# Altium PCB FMC_ADC_130M_16B_4CH.PcbDoc (part 4 of 8)
Units mil, origin at the board's own origin, x right, y up, seen from the top; angles counter-clockwise.
Board outline 3023 x 2716.54 mil, 8 copper layers (Top Layer, GND1, L3, GND2, L5, GND3, POWER, Bottom Layer), stack 52.323 mil thick; 406 components, 449 nets, 2146 pads, 1659 vias.
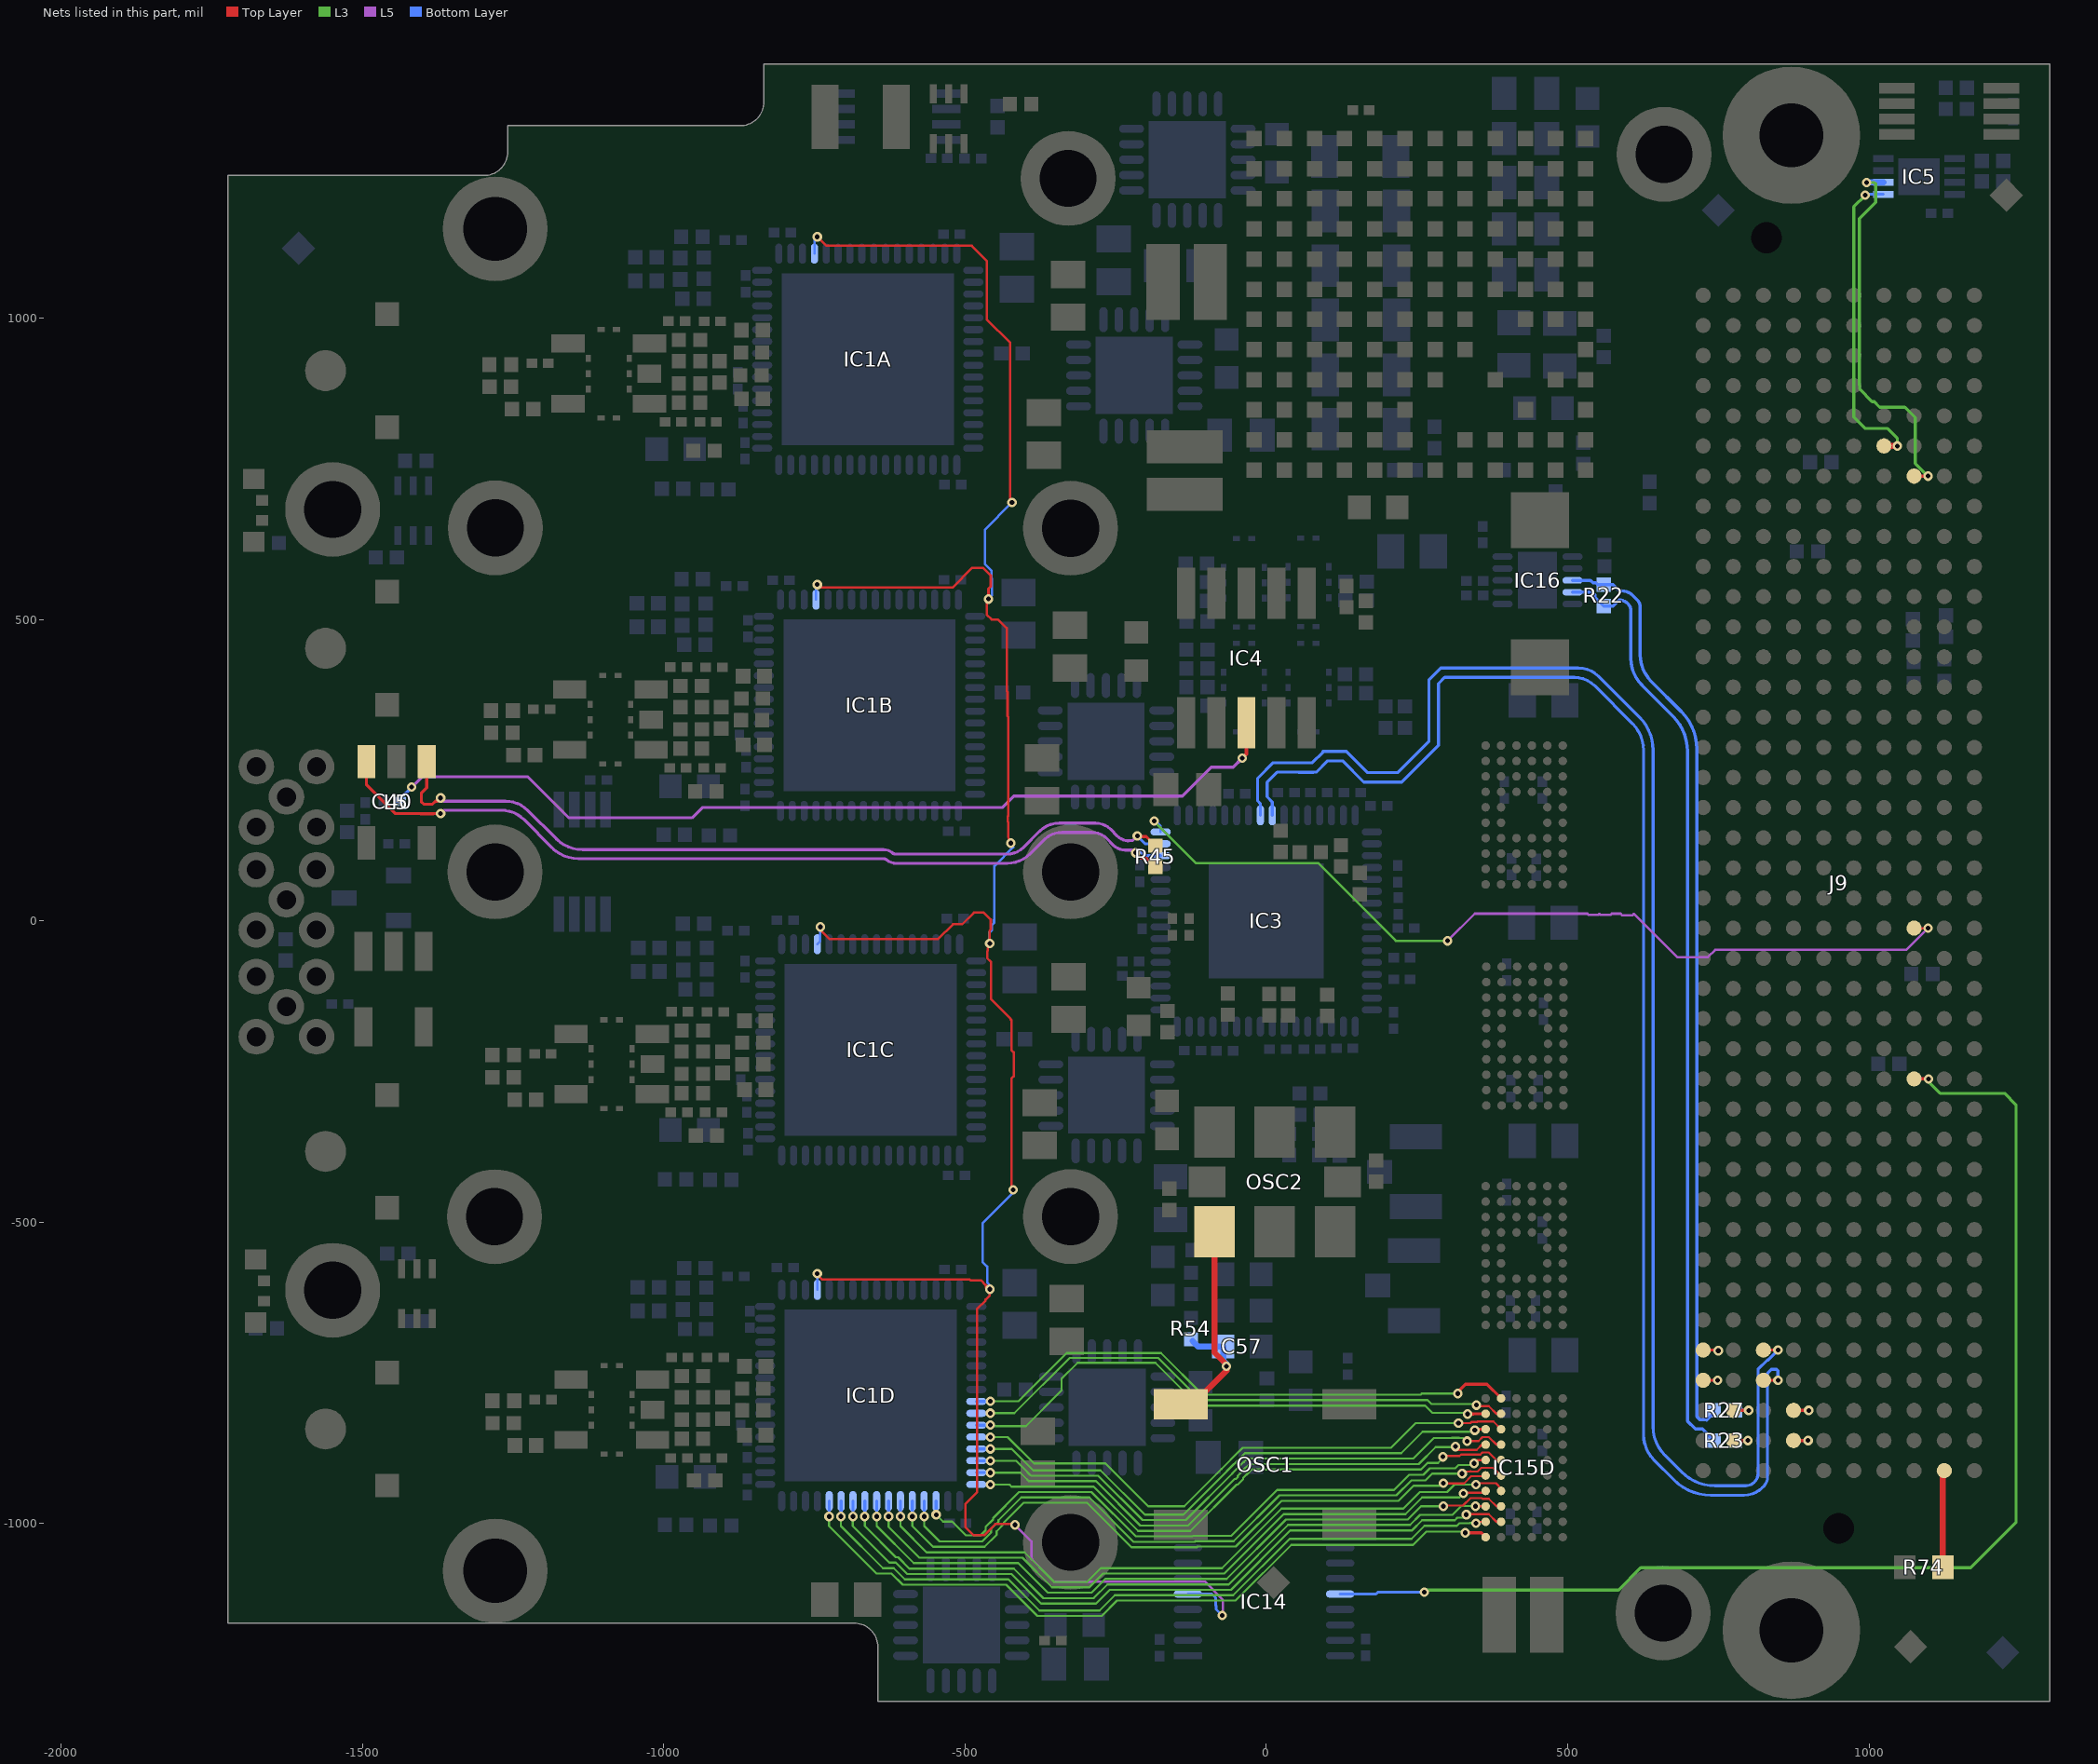
[diagram p10: the nets of this part, all layers, seen from the top]

## Via types
v1: diameter 15.75, hole 7.87, Top Layer to Bottom Layer, tented both sides, 1354 vias
v2: diameter 19.68, hole 7.87, Top Layer to Bottom Layer, tented both sides, 285 vias
v3: diameter 15.75, hole 7.87, Top Layer to Bottom Layer, 12 vias
v4: diameter 23.62, hole 7.87, Top Layer to Bottom Layer, tented both sides, 8 vias

## Nets (pads, with @x,y where several pads share a name; then routed paths per layer and width w, separated by ;. In a path a pad name is that pad's centre, name@x,y a point inside that pad or via, vN(x,y) a via of type N, cw(c..) or ccw(c..) an arc to the next point about the centre after c; other vN are vias at no path point) (continued)
CH4.CLKOUTA: IC1D.41 IC15D.K5 | length 955.1
  Top Layer w5: v1(318,-784) 318,-785 319,-786 319,-780 330.37,-768.63 366.18,-768.63 IC15D.K5@389.61,-792.06
  L3 w3.5: v1(-458,-796.89) -410.95,-796.89 -331.06,-717 -174.54,-717 -105.54,-786 256,-786 258,-784 v1(318,-784)
  Bottom Layer w5: IC1D.41@-481.09,-797.11 -458.22,-797.11 v1(-458,-796.89)
CH4.DA0: IC1D.42 IC15D.J5 | length 934.6
  Top Layer w3.5: v1(348.7,-803.28) 350.28,-804.86 v1@351.86,-804.86 ; v1@356,-805 v1@355.86,-804.86 ; IC15D.J5@389.61,-817.65 381.9,-817.65 369.26,-805.01 352.01,-805.01 v1@351.86,-804.86 ; v1@351.86,-804.86 351,-804 355,-804 v1@355.86,-804.86 ; v1@351.86,-804.86 v1@355.86,-804.86
  L3 w3.5: v1(-458,-816.64) -417.97,-816.64 -326.33,-725 -179.27,-725 -109.27,-795 267.55,-795 274.18,-801.63 347.05,-801.63 v1(348.7,-803.28)
CH4.DA1: IC1D.43 IC15D.J6 | length 927.9
  Top Layer w5: v1(334,-818) 344,-818 344.35,-817.65 IC15D.J6@364.02,-817.65
  L3 w3.5: v1(-458,-836.39) v1@-456,-836.39 ; v1@-456,-837 -455,-838 -398.67,-838 -339.5,-778.83 -339.5,-759.5 -313,-733 -184,-733 -113,-804 263.82,-804 275.82,-816 v1@327,-816
  Bottom Layer w5: IC1D.43@-481.09,-836.48 -458.09,-836.48 v1(-458,-836.39)
CH4.DA2: IC1D.44 IC15D.H5 | length 958.9
  Top Layer w3.5: v1(319,-833) 338.73,-833 340.36,-831.38 349.64,-831.38 350.64,-830.38 376.75,-830.38 IC15D.H5@389.61,-843.24
  L3 w3.5: v1(-458,-856.13) -429.19,-856.13 -385.33,-900 -267,-900 -196,-971 -136,-971 -74.37,-909.37 -74.37,-909.13 -44.87,-879.63 -44.63,-879.63 -39,-874 207,-874 248,-833 v1(319,-833)
CH4.DA3: IC1D.45 IC15D.H6 | length 949.2
  Top Layer w5: v1(346,-845) 347.76,-843.24 IC15D.H6@364.02,-843.24
  L3 w3.5: v1(-458,-875.88) -422.17,-875.88 -386.67,-911.39 -275.16,-911.39 -201.55,-985 -137.27,-985 -65.37,-913.1 -65.37,-912.86 -41.14,-888.63 -40.9,-888.63 -35.27,-883 224,-883 259.63,-847.37 343.63,-847.37 v1(346,-845)
  Bottom Layer w5: IC1D.45@-481.09,-875.85 v1(-458,-875.88)
CH4.DA4: IC1D.46 IC15D.G5 | length 976.1
  Top Layer w3.5: v1(333,-863) 351.98,-863 358.79,-856.19 369.26,-856.19 381.9,-868.83 IC15D.G5@389.61,-868.83
  L3 w3.5: v1(-458,-895.63) -415.15,-895.63 -400.41,-910.37 -392.78,-918 -390.39,-920.39 -371.07,-920.39 -370.48,-920.39 -278.89,-920.39 -205.28,-994 -133.54,-994 -56.54,-917 -56.37,-917 -56.37,-916.59 -37.41,-897.63 -37.17,-897.63 -31.54,-892 244,-892 278,-858 307.67,-858 308.05,-857.63 319.95,-857.63 320.33,-858 327,-858 v1@331,-862
  Bottom Layer w5: IC1D.46@-481.09,-895.54 -458.09,-895.54 v1(-458,-895.63)
CH4.DA5: IC1D.47 IC15D.G6 | length 943.5
  Top Layer w3.5: v1(314,-872) 314,-873 318.5,-877.5 349.12,-877.5 357.79,-868.83 IC15D.G6@364.02,-868.83
  L3 w3.5: v1(-458,-915.38) -408.13,-915.38 -396.51,-927 -394.12,-929.39 -374.79,-929.39 -366.75,-929.39 -282.62,-929.39 -209.01,-1003 -129.82,-1003 -52.82,-926 -50.82,-926 -47.37,-922.56 -47.37,-920.32 -33.68,-906.63 -33.44,-906.63 -27.82,-901 253,-901 281,-873 313,-873 v1(314,-872)
  Bottom Layer w5: IC1D.47@-481.09,-915.22 -458.16,-915.22 v1(-458,-915.38)
CH4.DA6: IC1D.48 IC15D.F5 | length 940.1
  Top Layer w3.5: v1@293,-888 294,-888 294.38,-887.62 320.64,-887.62 323.14,-885.13 355.44,-885.13 358.79,-881.79 369.26,-881.79 381.9,-894.43 IC15D.F5@389.61,-894.43
  L3 w3.5: v1(-458,-935.13) -426.13,-935.13 -422.86,-938.39 -286.35,-938.39 -212.74,-1012 -126.09,-1012 -49.09,-935 -47.09,-935 -38.37,-926.29 -38.37,-924.05 -29.95,-915.63 -29.71,-915.63 -24.09,-910 256.73,-910 267.73,-899 285,-899 v1@294,-890
  other v1: 293,-889
CH4.DA7: IC1D.51 IC15D.F6 | length 1066.3
  Top Layer w3.5: v1(345,-900) 350.57,-894.43 IC15D.F6@364.02,-894.43
  L3 w3.5: v1(-547.74,-985.02) -536.13,-996.63 -521.05,-996.63 -498.3,-1019.37 -474.05,-1019.37 -465.63,-1010.95 -465.63,-1005 -465.46,-1005 -453.37,-992.92 -453.37,-990.59 -410.17,-947.39 -290.07,-947.39 -216.46,-1021 -122.36,-1021 -121.36,-1020 -58,-1020 18,-944 212,-944 237,-919 260.46,-919 271.46,-908 313.67,-908 319.05,-902.63 342.37,-902.63 v1(345,-900)
  Bottom Layer w5: IC1D.51@-548.02,-962.46 -548.02,-984.73 v1(-547.74,-985.02)
CH4.DA8: IC1D.52 IC15D.E5 | length 1131.1
  Top Layer w3.5: v1(325,-917) 328.38,-913.62 338.5,-913.62 338.93,-913.2 339.36,-913.62 350.64,-913.62 356.89,-907.38 376.66,-907.38 389.3,-920.02 IC15D.E5@389.61,-920.02
  L3 w3.5: v1(-567.49,-988) -567.49,-1004 -542.11,-1029.37 -471.32,-1029.37 -456.63,-1014.68 -456.63,-1008.9 -444.37,-996.65 -444.37,-994.32 -406.45,-956.39 -293.8,-956.39 -220.19,-1030 -118.63,-1030 -117.63,-1029 -54.27,-1029 21.73,-953 215.73,-953 240.73,-928 264.18,-928 275.18,-917 v1(325,-917)
  Bottom Layer w5: IC1D.52@-567.71,-962.46 -567.71,-987.78 v1(-567.49,-988)
CH4.DA9: IC1D.53 IC15D.E6 | length 1121.9
  Top Layer w3.5: v1(294,-933) 328.27,-933 339.89,-921.38 362.66,-921.38 IC15D.E6@364.02,-920.02
  L3 w3.5: v1(-587.24,-988) -587.24,-1004 -552.86,-1038.37 -467.59,-1038.37 -447.63,-1018.41 -447.63,-1012.63 -435.37,-1000.37 -435.37,-998.05 -402.72,-965.39 -297.53,-965.39 -223.92,-1039 -114.9,-1039 -113.9,-1038 -50.54,-1038 25.46,-962 219.46,-962 244.46,-937 290,-937 v1(294,-933)
  Bottom Layer w5: IC1D.53@-587.39,-962.46 -587.39,-987.84 v1(-587.24,-988)
CH4.DA10: IC1D.54 IC15D.D5 | length 1153.8
  Top Layer w3.5: v1@347.07,-935.93 v1(348,-935) 350.03,-932.97 380.97,-932.97 389.61,-941.61 IC15D.D5@389.61,-945.61
  L3 w3.5: v1(-606.98,-988) -606.98,-1004 -563.61,-1047.37 -400.96,-1047.37 -351.84,-1096.5 -297.53,-1096.5 -297,-1095.97 ; -296.52,-1095.48 -297,-1095.97 ; v1(348,-935) 312.33,-935 299.95,-947.37 254.92,-947.37 227.29,-975 25.18,-975 -73.44,-1073.63 -274.63,-1073.63 -297,-1096
  Bottom Layer w5: IC1D.54@-607.08,-962.46 -607.08,-987.91 v1(-606.98,-988)
CH4.DA11: IC1D.55 IC15D.D6 | length 1143
  Top Layer w3.5: v1@325,-948 325.62,-948.62 361.01,-948.62 IC15D.D6@364.02,-945.61
  L3 w3.5: v1(-626.73,-988) -626.73,-1005.27 -575.63,-1056.37 -404.69,-1056.37 -355.57,-1105.5 -293.8,-1105.5 -293.3,-1105 -270.9,-1082.63 -69.71,-1082.63 28.91,-984 231.02,-984 258.65,-956.37 320.63,-956.37 v1(327,-950)
  Bottom Layer w5: v1@-626.76,-987.97 IC1D.55@-626.76,-962.46
CH4.DA12: IC1D.56 IC15D.C5 | length 1194.8
  Top Layer w3.5: v1(294,-971) 294,-970 326.27,-970 338.89,-957.38 357.61,-957.38 358.79,-958.56 369.26,-958.56 381.9,-971.2 IC15D.C5@389.61,-971.2
  L3 w3.5: v1(-646.48,-988) -646.48,-1004 -585.11,-1065.37 -411.63,-1065.37 -362.5,-1114.5 -290.07,-1114.5 -289.57,-1114 ; -289.54,-1114 -267.17,-1091.63 -117.87,-1091.63 -65.99,-1091.63 32.64,-993 234.75,-993 256.75,-971 v1(294,-971)
  Bottom Layer w5: v1(-646.48,-988) IC1D.56@-646.45,-962.46
CH4.DA13: IC1D.57 IC15D.C6 | length 1184.7
  Top Layer w3.5: v1(347,-971) 347.2,-971.2 IC15D.C6@364.02,-971.2
  L3 w3.5: v1(-666.23,-988) -666.23,-1004 -614.6,-1055.63 -610.86,-1055.63 -592.11,-1074.37 -418.9,-1074.37 -369.77,-1123.5 -286.35,-1123.5 -285.85,-1123 -263.44,-1100.63 -62.26,-1100.63 36.37,-1002 238.48,-1002 255.1,-985.37 308.95,-985.37 323.7,-970.63 v1@347,-970.63
  Bottom Layer w5: v1(-666.23,-988) -666.13,-987.91 IC1D.57@-666.13,-962.46
CH4.DA14: IC1D.58 IC15D.B5 | length 1239
  Top Layer w3.5: v1@331,-984 v1@331.15,-984.15 ; v1(332,-985) v1@331.15,-984.15 ; IC15D.B5@389.61,-996.79 381.9,-996.79 369.26,-984.15 v1@331.15,-984.15
  L3 w3.5: v1(-685.98,-988) -685.98,-1004 -625.35,-1064.63 -614.59,-1064.63 -595.84,-1083.37 -422.63,-1083.37 -373.5,-1132.5 -282.62,-1132.5 -282.12,-1132 ; -282.09,-1132 -259.71,-1109.63 -58.53,-1109.63 40.1,-1011 242.21,-1011 258.83,-994.37 312.68,-994.37 317.06,-990 327,-990 v1(332,-985)
  Bottom Layer w5: v1(-685.98,-988) -685.82,-987.84 IC1D.58@-685.82,-962.46
CH4.DA15: IC1D.59 IC15D.B6 | length 1230.9
  Top Layer w3.5: v1(348,-999) 348,-998 349.21,-996.79 IC15D.B6@364.02,-996.79
  L3 w3.5: v1(-705.72,-988) -705.72,-1004 -636.1,-1073.63 -618.32,-1073.63 -599.57,-1092.37 -427.9,-1092.37 -376.27,-1144 -276.73,-1144 -251.35,-1118.63 -54.8,-1118.63 38.82,-1025 240.93,-1025 262.56,-1003.37 316.41,-1003.37 320.41,-999.37 337.95,-999.37 338.33,-999 v1(348,-999)
  Bottom Layer w5: v1(-705.72,-988) -705.5,-987.78 IC1D.59@-705.5,-962.46
CH4.OF_A: IC1D.60 IC15D.A6 | length 1246.9
  Top Layer w5: v1(330,-1015) 356.65,-1015 IC15D.A6@364.02,-1022.38
  L3 w3.5: v1(-725.47,-988) -725.47,-1004 -646.85,-1082.63 -622.05,-1082.63 -603.3,-1101.37 -431.63,-1101.37 -380,-1153 -273,-1153 -247.63,-1127.63 -51.07,-1127.63 41.55,-1035 243.66,-1035 265.66,-1013 v1@323,-1013
  Bottom Layer w5: v1(-725.47,-988) -725.19,-987.72 IC1D.60@-725.19,-962.46
CLK0_M2C_N: IC3.24 J9.h5 | length 2555.9
  Top Layer w5: J9.h5@824.92,-711.99 v1(849,-712)
  Bottom Layer w5: IC3.24@-9.84,175.2 -9.84,194.81 -14.45,199.42 -14.45,236.55 11.45,262.45 60.12,262.45 60.31,262.27 71.69,262.27 71.88,262.45 76.45,262.45 94,280 ; 94,281.29 132.94,281.29 168.23,246 218,246 270,298 270,400.23 289.49,419.72 517.72,419.72 cw(c517.72,371.94) 551.49,405.74 ; 551.51,405.72 618.95,338.28 cw(c563.98,283.31) 641.72,283.31 641.72,-711 641.72,-839 ccw(c708.64,-839) 661.32,-886.32 689.2,-914.2 ccw(c744.25,-859.14) 744.25,-937 795.88,-937 ccw(c795.88,-917.39) 809.74,-931.25 ccw(c794.64,-916.15) 816,-916.15 816,-743.77 831.49,-728.28 832.72,-728.28 v1(849,-712)
CLK0_M2C_P: IC3.25 J9.h4 | length 2543.9
  Top Layer w5: J9.h4@824.92,-761.99 v1(849,-762)
  Bottom Layer w5: IC3.25@9.84,175.2 9.84,197.36 1.27,205.94 1.27,230.04 17.96,246.73 53.61,246.73 53.8,246.55 78.2,246.55 78.39,246.73 82.96,246.73 101.8,265.57 126.43,265.57 161.72,230.28 224.51,230.28 285.72,291.49 285.72,393.72 296,404 511.21,404 cw(c511.21,356.22) 544.98,390.02 ; 544.99,390.01 607.83,327.17 cw(c563.98,283.31) 626,283.31 626,-707 626,-851.95 ccw(c686.49,-851.95) 643.7,-894.7 ; 643.72,-894.72 676.25,-927.25 ccw(c737.74,-865.76) 737.74,-952.72 792.85,-952.72 ccw(c792.85,-910.08) 822.98,-940.25 ; 823,-940.23 825.46,-937.77 ; 825.47,-937.76 ccw(c810.36,-922.67) 831.72,-922.67 831.72,-750.28 838,-744 847,-744 849,-746 v1(849,-762)
CLK1_M2C_N: J9.g3 | length 25.1
  Top Layer w5: J9.g3@874.92,-811.99 898.99,-811.99 v1(900,-812)
CLK1_M2C_P: J9.g2 | length 24.1
  Top Layer w5: J9.g2@874.92,-861.99 v1(899,-862)
CLK2_BIDIR_N: J9.k5 | length 25.5
  Top Layer w5: J9.k5@724.92,-711.99 748.99,-711.99 v1(750,-713)
CLK2_BIDIR_P: J9.k4 | length 24.1
  Top Layer w5: J9.k4@724.92,-761.99 v1(749,-762)
CLK3_BIDIR_N: J9.j3 R27.2 | length 47.9
  Top Layer w5: J9.j3@774.92,-811.99 798.99,-811.99 v1(800.38,-812)
  Bottom Layer w5: R27.2@777.92,-811.99 v1(800.38,-812)
CLK3_BIDIR_P: J9.j2 R23.2 | length 45.2
  Top Layer w5: J9.j2@774.92,-861.99 v1(799,-862)
  Bottom Layer w5: R23.2@777.92,-861.99 v1(799,-862)
CLK_DIR: J9.b1 R74.2 | length 157.6
  Top Layer w10: R74.2@1122.5,-1072 J9.b1@1122.5,-914.42
"CONTROL VOLTAGE": C57.2 OSC1.1 OSC2.1 R54.2 | length 420.1
  Top Layer w10: OSC1.1@-141.96,-802 -122,-802 -66,-746 v1(-66,-739) ; OSC2.1@-86,-515.68 -86,-716 v1@-66,-736
  Bottom Layer w10: R54.2@-122,-697 -112.72,-706.28 C57.2@-71.5,-706.28 -71.5,-729.5 v1@-66,-735
DITH: IC14.12 J9.c14 | length 2053.4
  Top Layer w5: J9.c14@1074.92,-261.99 v1(1099,-262)
  L3 w5: v1(262,-1113.72) 265.77,-1109.94 584.39,-1109.94 621.34,-1073 1169,-1073 1244,-998 1244,-305 1225,-286 1118,-286 1099,-267 v1(1099,-262)
  Bottom Layer w5: IC14.12@122.6,-1116.64 182,-1116.64 184.92,-1113.72 v1(262,-1113.72)
DITH_ON_OFF: IC1A.20 IC1B.20 IC1C.20 IC1D.20 IC14.5 | length 4254.2
  Top Layer w4: v1(-745,-585) -745,-586.81 -736.81,-595 -492,-595 -490.77,-596.23 -473.38,-596.23 -465.25,-604.36 v1@-465.25,-608.75 ; v1(-745,558) -740.13,553.13 -520.81,553.13 -488.06,585.87 -469.94,585.87 -457.13,573.06 -457.13,554.94 -461,551.07 v1(-461,534) ; v1(-745,1135) -730,1120 -488.81,1120 -463.72,1094.91 -463.72,997.88 -425,959.17 -425,695 -424,694 v1(-422,694) ; v1(-740,-10) -740,-15 -725,-30 -544.49,-30 -520,-5.51 -504.62,-5.51 -485.23,13.87 -468.77,13.87 -457.13,2.23 -457.13,-14.23 -458.92,-16.03 v1(-458.92,-37.57) ; v1@-463.87,531.77 -463.87,508.25 -455.75,500.13 -445.24,500.13 -430.67,485.56 -430.67,381.12 -429.25,379.7 -429.25,339.7 -428.25,338.7 -428.25,174.35 -429.15,173.44 -429.15,164.74 -428.4,163.99 -428.4,142.3 ccw(c-409.7,142.3) v1@-422.92,129.07 ; -461.87,-45.25 -461.87,-49.25 -462.87,-50.25 -462.87,-61.75 -457,-67.62 -457,-129.69 -424,-162.69 -424,-163.53 -422.81,-164.72 -422.81,-214.11 -419.06,-217.86 -419.06,-257.59 -422.81,-261.34 v1@-422.81,-450 ; v1(-458.81,-611) -458.81,-621.19 -465.87,-628.25 -465.87,-630 -480,-644.13 -480,-948 -499,-967 -499,-1006 -486,-1019 -468,-1019 -449.5,-1000.5 -418.5,-1000.5 v1(-417,-1002)
  L5 w4: v1(-417,-1002) -389.74,-1029.26 -389.74,-1059.32 -388.32,-1059.32 -351.63,-1096 -102,-1096 -72,-1126 -72,-1151 v1(-73,-1152)
  Bottom Layer w4: IC1A.20@-749.78,1106.93 -749.78,1130.22 v1(-745,1135) ; IC1B.20@-747.06,532.93 -747.06,555.94 v1(-745,558) ; IC1C.20@-744.98,-38.65 -740,-33.66 v1(-740,-10) ; IC1D.20@-744.87,-612.07 v1@-744.87,-589.06 ; v1(-461,534) -455.19,539.81 -455.19,568.18 -455.78,568.77 -455.78,580.84 -467,592.06 -467,649 v1(-422,694) ; v1(-458.92,-37.57) -458.92,-18.86 -455.13,-15.06 -455.13,-6.75 -451.62,-3.25 -451.62,1.74 -451.19,2.18 -451.19,91.16 v1@-419.92,122.43 ; v1@-458.81,-604.19 -463.13,-599.87 -463.13,-573.25 -470.87,-565.51 -470.87,-502.06 -419.81,-451 -420,-450.81 v1(-420,-446) ; IC14.5@-130,-1116.64 -90.36,-1116.64 -84,-1123 -84,-1135.38 -83.13,-1136.25 -83.13,-1141.87 v1(-73,-1152)
  other v1: -423.96,129.07
EXT_CLK1_N: IC3.15 L5.3 R45.2 | length 1409.3
  Top Layer w5: L5.3@-1393,264.52 -1393,221 -1402,212 -1402,198 -1397.58,193.58 -1383.72,193.58 -1378.51,198.79 -1375.21,198.79 v1(-1370,204) ; v1(-214,141) -212.81,139.81 -199.09,139.81 R45.2@-184,124.72
  L5 w5: v1(-1370,204) -1364.79,198.79 -1262.51,198.79 cw(c-1262.51,146.36) -1225.46,183.46 ; -1225.43,183.43 -1178.49,136.49 ; -1178.47,136.47 ccw(c-1134.51,180.47) -1134.51,118.27 -634.84,118.27 cw(c-634.84,95.98) -621.3,113.7 cw(c-634.84,95.98) -620.14,112.75 ; -619.07,111.74 ccw(c-634.84,95.98) -620.14,112.75 ; -376.03,148.82 -402.58,122.26 cw(c-430.04,149.72) -430.04,110.89 -614.28,110.89 cw(c-614.28,121.09) -620.14,112.75 ; -376.01,148.83 cw(c-343.47,116.26) -343.47,162.3 -283.21,162.3 cw(c-283.21,127.11) -258.32,152 -247.11,140.78 ccw(c-228.32,159.58) -233.49,133.51 ccw(c-228.32,159.58) -228.32,133 ; -228.32,133.54 -221.46,133.54 v1(-214,141)
  Bottom Layer w5: v1(-214,141) -200.95,127.95 IC3.15@-175.2,127.95
EXT_CLK1_P: IC3.14 L5.1 R45.1 | length 1486.4
  Top Layer w5: L5.1@-1493,264.52 -1493,225.44 -1445.81,178.25 -1403.93,178.25 -1403.35,177.67 -1381.65,177.67 -1381.07,178.25 v1(-1370,178.25) ; v1(-217,113) -207.81,103.81 -198.53,103.81 R45.1@-184,89.28
  L5 w5: v1(-1370,178.25) -1364.79,183.46 -1268.72,183.46 cw(c-1268.72,131.36) -1231.88,168.2 -1184.93,121.26 ccw(c-1141.51,164.68) -1178.98,116.03 ccw(c-1141.51,164.68) -1141.51,103.27 -634.84,103.27 cw(c-634.84,95.98) -630.77,102.04 cw(c-634.84,95.98) -629.68,101.14 ccw(c-613.72,121.65) -613.72,95.66 -429.81,95.66 ccw(c-429.81,149.49) -391.77,111.41 ; -391.75,111.43 -368.46,134.71 cw(c-338.85,105.1) -338.85,146.98 -289.42,146.98 cw(c-289.42,112.11) -264.78,136.78 -253.55,125.55 ccw(c-234.53,144.58) -234.53,117.67 -221.67,117.67 v1(-217,113)
  Bottom Layer w5: v1(-217,113) -212.34,117.66 -207.3,112.63 -206.63,112.63 -202.27,108.27 IC3.14@-175.2,108.27
EXT_CLK_IN: C40.1 IC4.3 | length 1544.5
  Top Layer w5.72: v1(-40,270) -33,277 IC4.3@-33,328.52
  L5 w5: v1(-1418,222) -1401,239 -1225,239 -1157,171 -953,171 -936,188 -438,188 -419,207 -139.17,207 -91,255.17
  L5 w5.72: -91,255.17 -54.83,255.17 v1(-40,270)
  Bottom Layer w5: C40.1@-1436,202 -1437,202 -1437,203 v1(-1418,222)
FMC_REFCLK_N: IC16.3 R22.1 R27.1 | length 1548.5
  Bottom Layer w5.33: IC16.3@508.07,565 537.93,565 542.29,560.64 547.12,560.64 550.04,557.72 R22.1@560,557.72 575.21,557.72 585.27,547.66 589.76,547.66 cw(c589.76,522.09) 607.84,540.17 615.48,532.54 ; 615.49,532.52 cw(c603.76,520.82) 620.33,520.82 620.33,442 ccw(c683.88,442) 638.94,397.06 688.66,347.34 cw(c626.71,285.38) 714.33,285.38 714.33,-822.33 719.67,-827.67 729.84,-827.67 730.59,-828.41 742.49,-816.51 R27.1@742.49,-811.99
FMC_REFCLK_P: IC16.4 R22.2 R23.1 | length 1556.5
  Bottom Layer w5.33: IC16.4@508.07,545.32 540.77,545.32 545.47,540.61 545.47,536.81 R22.2@560,522.28 575.21,522.28 585.27,532.34 ; 585.31,532.34 cw(c585.31,511.34) 600.14,526.2 ; 600.16,526.17 cw(c588.44,514.48) 605,514.48 605,435.65 ccw(c668.55,435.65) 623.61,390.71 674.91,339.41 cw(c616.76,281.26) 699,281.26 699,-830 712,-843 723.49,-843 R23.1@742.49,-861.99
FUNCTION: IC3.16 J9.c19 | length 1490.7
  Top Layer w4: J9.c19@1074.92,-11.99 v1(1098,-12)
  L5 w4: v1(301,-33) 346,12 532.89,12 534.77,10.13 551.23,10.13 553,11.89 554.77,10.13 571.23,10.13 573.11,12 587.89,12 590.77,9.13 607.23,9.13 610.05,11.95 682,-60 732.79,-60 744.79,-48 1062,-48 v1(1098,-12)
  L3 w4: v1(-186,166) -182.28,166 -182.28,161.38 -116.9,96 86,96 215,-33 v1(301,-33)
  Bottom Layer w4: v1(-186,166) -185,167 -175.2,157.2 IC3.16@-175.2,147.64
GA0: IC5.2 J9.c34 | length 636.9
  Top Layer w5: J9.c34@1074.92,738.01 v1(1098,738)
  L3 w5: v1(996,1225) 1009,1225 1011,1223 1011,1192 984,1165 984,889 984.63,888.37 984.63,882.05 1005.3,861.37 1008.68,861.37 1017.68,852.37 1059.63,852.37 1077,835 1077,759 v1(1098,738)
  Bottom Layer w10: v1(996,1225) 996.16,1225.16 IC5.2@1023.94,1225.16
GA1: IC5.1 J9.d35 | length 528
  Top Layer w10: J9.d35@1024.92,788.01 v1(1047,788)
  L3 w5: v1(994,1204) 975,1185 975,836 994,817 1031,817 1047,801 v1(1047,788)
  Bottom Layer w5: v1(994,1204) 995.47,1205.47 IC5.1@1023.94,1205.47